# KiCad board TS_FPGA_Module_Rev2.kicad_pcb (continued)
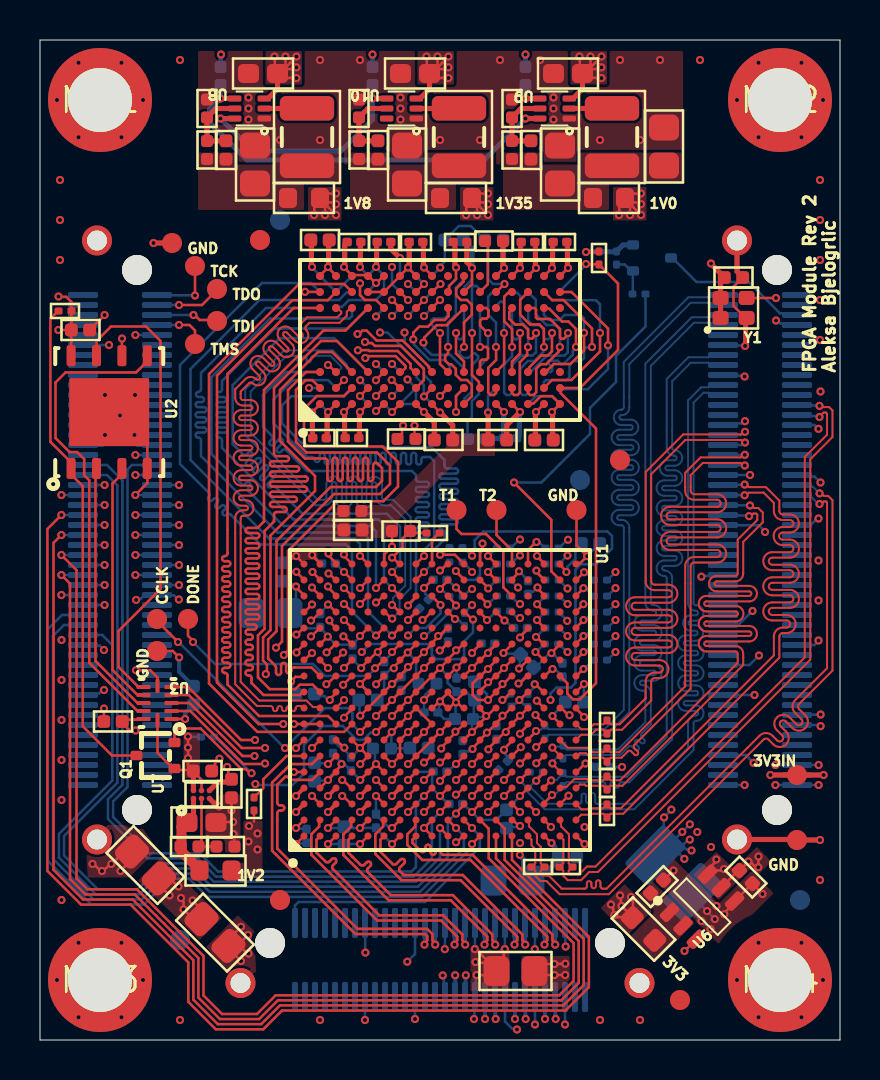
[diagram p0: board, top side]
## Footprints (pads in the part's own frame, mm; a bottom-side part is the same pattern mirrored in y, then rotated) (continued)

## Nets
+1V0: C50.2 C51.2 C52.2 C53.2 C54.2 C55.2 C56.2 C57.2 FB3.1 R53.2 U1.F7 U1.F9 U1.F11 U1.G8 U1.G10 U1.H7 U1.H9 U1.H11 U1.J8 U1.J12 U1.K7 U1.K11 U1.L8 U1.L12 U1.M7 U1.M11 U1.N8 U1.N10 U1.N12 U1.P9 U1.P11
+1V0_MGT: C68.2 C69.2 C70.2 FB3.2 U1.B4 U1.C5 U1.E5 U1.F5
+1V2_MGT: C65.2 C66.2 C67.2 R11.1 R56.2 U1.A2 U1.C1 U1.E1 U1.F3 U1.G2
+1V8: C2.1 C3.1 C49.2 C58.2 C59.2 C60.2 C61.2 C62.2 C63.2 FB1.2 JM2.91 R13.2 R14.2 R15.2 R57.2 U1.E10 U1.E11 U1.G12 U1.H13 U1.K13 U1.M13 U1.P13 U1.R10 U1.R12 U2.8 U3.11
+1V35: C1.1 C5.2 C6.2 C7.2 C8.2 C9.2 C10.2 C11.2 C12.2 C13.2 C14.2 C15.2 C17.2 C18.2 C19.2 C20.2 C21.2 C22.2 C23.2 C24.2 C25.2 C26.2 C27.2 C36.2 C37.2 C38.2 C39.2 C40.2 C41.2 C42.2 C43.2 C44.2 C45.2 C46.2 C47.2 C48.2 C84.2 Q1.2 R12.2 R27.2 R55.2 R58.2 U1.A16 U1.B13 U1.C10 U1.D17 U1.E14 U1.G18 U1.H15 U1.L16 U1.P17 U1.R14 U1.T11 U1.U8 U1.U18 U1.V15 U3.1 U3.12 U4.A1 U4.A8 U4.B2 U4.C1 U4.C9 U4.D2 U4.D9 U4.E9 U4.F1 U4.G7 U4.H2 U4.H9 U4.K2 U4.K8 U4.N1 U4.N9 U4.R1 U4.R9 U5.A1 U5.A8 U5.B2 U5.C1 U5.C9 U5.D2 U5.D9 U5.E9 U5.F1 U5.G7 U5.H2 U5.H9 U5.K2 U5.K8 U5.N1 U5.N9 U5.R1 U5.R9 U7.A2 U7.B2
+3.3V: C29.2 C30.2 C31.2 C32.2 C33.2 C34.2 C35.2 C72.1 R54.2 U1.L6 U1.M3 U1.P7 U1.R4 U1.T1 U1.V5 Y1.1 Y1.4
+3V3_IN: C71.2 C77.2 C79.2 C80.2 C85.2 JM1.1 JM1.3 JM1.5 JM1.13 JM1.15 R44.2 R45.2 R48.2 TP14.1 U6.5 U6.6 U7.C2 U8.3 U9.3 U10.3
GND: C1.2 C2.2 C3.2 C4.1 C6.1 C7.1 C8.1 C9.1 C10.1 C11.1 C12.1 C13.1 C14.1 C15.1 C16.1 C18.1 C19.1 C20.1 C21.1 C22.1 C23.1 C24.1 C25.1 C26.1 C27.1 C28.1 C29.1 C30.1 C31.1 C32.1 C33.1 C34.1 C35.1 C36.1 C37.1 C38.1 C39.1 C40.1 C41.1 C42.1 C43.1 C44.1 C45.1 C46.1 C47.1 C48.1 C49.1 C50.1 C51.1 C52.1 C53.1 C54.1 C55.1 C56.1 C57.1 C58.1 C59.1 C60.1 C61.1 C62.1 C63.1 C65.1 C66.1 C67.1 C68.1 C69.1 C70.1 C71.1 C72.2 C75.1 C76.1 C77.1 C78.1 C79.1 C80.1 C82.1 C83.1 C84.1 C85.1 C87.1 FB2.2 JM1.2 JM1.8 JM1.20 JM1.26 JM1.29 JM1.34 JM1.44 JM1.53 JM1.54 JM1.63 JM1.64 JM1.73 JM1.74 JM1.84 JM1.90 JM1.101 JM1.102 JM2.20 JM2.30 JM2.39 JM2.40 JM2.49 JM2.50 JM2.59 JM2.60 JM2.69 JM2.70 JM2.79 JM2.80 JM2.90 JM2.101 JM2.102 JM3.5 JM3.6 JM3.11 JM3.12 JM3.17 JM3.18 JM3.23 JM3.24 JM3.29 JM3.30 JM3.35 JM3.36 JM3.45 JM3.46 JM3.61 JM3.62 MH1.1 MH2.1 MH3.1 MH4.1 Q2.3 R16.2 R17.2 R18.2 R35.1 R47.1 R50.1 R52.1 R59.2 R61.1 TP5.1 TP7.1 TP12.1 TP13.1 U1.A1 U1.A5 U1.A7 U1.A8 U1.A11 U1.A18 U1.B3 U1.B7 U1.B8 U1.B18 U1.C2 U1.C6 U1.C7 U1.C15 U1.D3 U1.D4 U1.D7 U1.D12 U1.E2 U1.E6 U1.E7 U1.E9 U1.E12 U1.F4 U1.F6 U1.F10 U1.F13 U1.F16 U1.G1 U1.G5 U1.G6 U1.G7 U1.G9 U1.G11 U1.G13 U1.H3 U1.H4 U1.H5 U1.H6 U1.H8 U1.H10 U1.H12 U1.J1 U1.J2 U1.J3 U1.J7 U1.J11 U1.J13 U1.J17 U1.K4 U1.K8 U1.K12 U1.K14 U1.L1 U1.L7 U1.L11 U1.L13 U1.M8 U1.M9 U1.M10 U1.M12 U1.M18 U1.N5 U1.N7 U1.N9 U1.N11 U1.N13 U1.N15 U1.P2 U1.P8 U1.P12 U1.R9 U1.R11 U1.T6 U1.T16 U1.U3 U1.U13 U1.V1 U1.V10 U1.V18 U2.4 U2.9 U3.6 U4.A9 U4.B1 U4.B3 U4.B9 U4.D1 U4.D8 U4.E1 U4.E2 U4.E8 U4.F9 U4.G1 U4.G8 U4.G9 U4.J2 U4.J8 U4.M1 U4.M9 U4.P1 U4.P9 U4.T1 U4.T9 U5.A9 U5.B1 U5.B3 U5.B9 U5.D1 U5.D8 U5.E1 U5.E2 U5.E8 U5.F9 U5.G1 U5.G8 U5.G9 U5.J2 U5.J8 U5.M1 U5.M9 U5.P1 U5.P9 U5.T1 U5.T9 U6.4 U7.C1 U8.1 U9.1 U10.1 Y1.2
GNDA: C64.1 FB2.1 U1.J9 U1.K9 U1.K10 U1.L9 U1.L10
/ACQ_EN: JM2.51 U1.M4
/ADC_CSn: JM2.65 U1.J4
/ADC_PD: JM2.61 U1.L4
/ADC_PG: JM2.67 U1.R6
/ADC_RSTn: JM2.63 U1.M6
/ADC_SCLK: JM2.41 U1.J6
/ADC_SDATA: JM2.43 U1.L5
/ATTEN_1: JM2.38 U1.N6
/ATTEN_2: JM2.48 U1.M2
/ATTEN_3: JM2.56 U1.P1
/ATTEN_4: JM2.64 U1.K1
/Board_PWR/NetC73_1: C73.1 R46.1 R47.2 U9.5
/Board_PWR/NetC73_2: C73.2 C75.2 C76.2 L1.2 R46.2 R53.1
/Board_PWR/NetC78_2: C78.2 R54.1 U6.1 U6.2
/Board_PWR/NetC81_1: C81.1 R49.1 R50.2 U10.5
/Board_PWR/NetC81_2: C81.2 C82.2 L3.2 R49.2 R55.1
/Board_PWR/NetC83_2: C83.2 R56.1 R60.2 U7.A1
/Board_PWR/NetC86_1: C86.1 R51.1 R52.2 U8.5
/Board_PWR/NetC86_2: C86.2 C87.2 L2.2 R51.2 R57.1
/Board_PWR/NetL1_1: L1.1 U9.2
/Board_PWR/NetL2_1: L2.1 U8.2
/Board_PWR/NetL3_1: L3.1 U10.2
/Board_PWR/NetR45_1: R45.1 U9.4
/Board_PWR/NetR60_1: R60.1 R61.2 U7.B1
/Board_PWR/PG_1V0: R44.1 U8.4 U9.6
/Board_PWR/PG_1V8: R48.1 U6.3 U8.6 U10.4
/D1A_N: JM1.58 R6.1 U1.V4
/D1A_P: JM1.56 R6.2 U1.U4
/D1B_N: JM1.62 R8.1 U1.V2
/D1B_P: JM1.60 R8.2 U1.V3
/D2A_N: JM1.68 R1.2 U1.U7
/D2A_P: JM1.66 R1.1 U1.V6
/D2B_N: JM1.72 R5.2 U1.V8
/D2B_P: JM1.70 R5.1 U1.V7
/D3A_N: JM1.82 R3.1 U1.T5
/D3A_P: JM1.80 R3.2 U1.R5
/D3B_N: JM1.88 R7.2 U1.T4
/D3B_P: JM1.86 R7.1 U1.T3
/D4A_N: JM1.96 R4.2 U1.U6
/D4A_P: JM1.94 R4.1 U1.U5
/D4B_N: JM1.100 R2.2 U1.R7
/D4B_P: JM1.98 R2.1 U1.T7
/DC_CPL_1: JM2.42 U1.P3
/DC_CPL_2: JM2.52 U1.N2
/DC_CPL_3: JM2.58 U1.T2
/DC_CPL_4: JM2.66 U1.K3
/FCLK_N: JM1.77 R9.1 U1.U1
/FCLK_P: JM1.75 R9.2 U1.U2
/FE_EN: JM2.53 U1.K6
/FE_PG: JM2.45 U1.J5
/FPGA_Bank_34_IO/CLK25: U1.P4 Y1.3
/FPGA_Banks_14_15_DDR3/DDR3_A0: R41.1 U1.T12
/FPGA_Banks_14_15_DDR3/DDR3_A0_T: R41.2 U4.N3 U5.N3
/FPGA_Banks_14_15_DDR3/DDR3_A1: R21.1 U1.T15
/FPGA_Banks_14_15_DDR3/DDR3_A1_T: R21.2 U4.P7 U5.P7
/FPGA_Banks_14_15_DDR3/DDR3_A2: R24.1 U1.T14
/FPGA_Banks_14_15_DDR3/DDR3_A2_T: R24.2 U4.P3 U5.P3
/FPGA_Banks_14_15_DDR3/DDR3_A3: R30.1 U1.V11
/FPGA_Banks_14_15_DDR3/DDR3_A3_T: R30.2 U4.N2 U5.N2
/FPGA_Banks_14_15_DDR3/DDR3_A4: R39.1 U1.V12
/FPGA_Banks_14_15_DDR3/DDR3_A4_T: R39.2 U4.P8 U5.P8
/FPGA_Banks_14_15_DDR3/DDR3_A5: R42.1 U1.V13
/FPGA_Banks_14_15_DDR3/DDR3_A5_T: R42.2 U4.P2 U5.P2
/FPGA_Banks_14_15_DDR3/DDR3_A6: R33.1 U1.T18
/FPGA_Banks_14_15_DDR3/DDR3_A6_T: R33.2 U4.R8 U5.R8
/FPGA_Banks_14_15_DDR3/DDR3_A7: R40.1 U1.V16
/FPGA_Banks_14_15_DDR3/DDR3_A7_T: R40.2 U4.R2 U5.R2
/FPGA_Banks_14_15_DDR3/DDR3_A8: R43.1 U1.V17
/FPGA_Banks_14_15_DDR3/DDR3_A8_T: R43.2 U4.T8 U5.T8
/FPGA_Banks_14_15_DDR3/DDR3_A9: R23.1 U1.T17
/FPGA_Banks_14_15_DDR3/DDR3_A9_T: R23.2 U4.R3 U5.R3
/FPGA_Banks_14_15_DDR3/DDR3_A10: R32.1 U1.N18
/FPGA_Banks_14_15_DDR3/DDR3_A10_T: R32.2 U4.L7 U5.L7
/FPGA_Banks_14_15_DDR3/DDR3_A11: R38.1 U1.V14
/FPGA_Banks_14_15_DDR3/DDR3_A11_T: R38.2 U4.R7 U5.R7
/FPGA_Banks_14_15_DDR3/DDR3_A12: R20.1 U1.T13
/FPGA_Banks_14_15_DDR3/DDR3_A12_T: R20.2 U4.N7 U5.N7
/FPGA_Banks_14_15_DDR3/DDR3_BA0: R29.1 U1.N17
/FPGA_Banks_14_15_DDR3/DDR3_BA0_T: R29.2 U4.M2 U5.M2
/FPGA_Banks_14_15_DDR3/DDR3_BA1: R22.1 U1.R18
/FPGA_Banks_14_15_DDR3/DDR3_BA1_T: R22.2 U4.N8 U5.N8
/FPGA_Banks_14_15_DDR3/DDR3_BA2: R25.1 U1.M17
/FPGA_Banks_14_15_DDR3/DDR3_BA2_T: R25.2 U4.M3 U5.M3
/FPGA_Banks_14_15_DDR3/DDR3_CAS: R37.1 U1.K18
/FPGA_Banks_14_15_DDR3/DDR3_CAS_T: R37.2 U4.K3 U5.K3
/FPGA_Banks_14_15_DDR3/DDR3_CKE: R34.1 U1.L18
/FPGA_Banks_14_15_DDR3/DDR3_CKE_T: R34.2 U4.K9 U5.K9
/FPGA_Banks_14_15_DDR3/DDR3_CLK_N: R31.1 U1.V9 U4.K7 U5.K7
/FPGA_Banks_14_15_DDR3/DDR3_CLK_P: R31.2 U1.U9 U4.J7 U5.J7
/FPGA_Banks_14_15_DDR3/DDR3_D0: U1.D14 U4.E3
/FPGA_Banks_14_15_DDR3/DDR3_D1: U1.A12 U4.F7
/FPGA_Banks_14_15_DDR3/DDR3_D2: U1.A15 U4.F2
/FPGA_Banks_14_15_DDR3/DDR3_D3: U1.C13 U4.F8
/FPGA_Banks_14_15_DDR3/DDR3_D4: U1.A14 U4.H3
/FPGA_Banks_14_15_DDR3/DDR3_D5: U1.A13 U4.H8
/FPGA_Banks_14_15_DDR3/DDR3_D6: U1.D13 U4.G2
/FPGA_Banks_14_15_DDR3/DDR3_D7: U1.B14 U4.H7
/FPGA_Banks_14_15_DDR3/DDR3_D8: U1.A10 U4.D7
/FPGA_Banks_14_15_DDR3/DDR3_D9: U1.C9 U4.C3
/FPGA_Banks_14_15_DDR3/DDR3_D10: U1.D8 U4.C8
/FPGA_Banks_14_15_DDR3/DDR3_D11: U1.D11 U4.C2
/FPGA_Banks_14_15_DDR3/DDR3_D12: U1.C8 U4.A7
/FPGA_Banks_14_15_DDR3/DDR3_D13: U1.C11 U4.A2
/FPGA_Banks_14_15_DDR3/DDR3_D14: U1.D9 U4.B8
/FPGA_Banks_14_15_DDR3/DDR3_D15: U1.B11 U4.A3
/FPGA_Banks_14_15_DDR3/DDR3_D16: U1.B17 U5.E3
/FPGA_Banks_14_15_DDR3/DDR3_D17: U1.D16 U5.F7
/FPGA_Banks_14_15_DDR3/DDR3_D18: U1.E16 U5.F2
/FPGA_Banks_14_15_DDR3/DDR3_D19: U1.E17 U5.F8
/FPGA_Banks_14_15_DDR3/DDR3_D20: U1.C16 U5.H3
/FPGA_Banks_14_15_DDR3/DDR3_D21: U1.C18 U5.H8
/FPGA_Banks_14_15_DDR3/DDR3_D22: U1.D15 U5.G2
/FPGA_Banks_14_15_DDR3/DDR3_D23: U1.C17 U5.H7
/FPGA_Banks_14_15_DDR3/DDR3_D24: U1.G17 U5.D7
/FPGA_Banks_14_15_DDR3/DDR3_D25: U1.F17 U5.C3
/FPGA_Banks_14_15_DDR3/DDR3_D26: U1.H17 U5.C8
/FPGA_Banks_14_15_DDR3/DDR3_D27: U1.E18 U5.C2
/FPGA_Banks_14_15_DDR3/DDR3_D28: U1.H16 U5.A7
/FPGA_Banks_14_15_DDR3/DDR3_D29: U1.F14 U5.A2
/FPGA_Banks_14_15_DDR3/DDR3_D30: U1.H18 U5.B8
/FPGA_Banks_14_15_DDR3/DDR3_D31: U1.G14 U5.A3
/FPGA_Banks_14_15_DDR3/DDR3_DM0: U1.B12 U4.E7
/FPGA_Banks_14_15_DDR3/DDR3_DM1: U1.B10 U4.D3
/FPGA_Banks_14_15_DDR3/DDR3_DM2: U1.D18 U5.E7
/FPGA_Banks_14_15_DDR3/DDR3_DM3: U1.G16 U5.D3
/FPGA_Banks_14_15_DDR3/DDR3_DQS0_N: U1.B15 U4.G3
/FPGA_Banks_14_15_DDR3/DDR3_DQS0_P: U1.C14 U4.F3
/FPGA_Banks_14_15_DDR3/DDR3_DQS1_N: U1.A9 U4.B7
/FPGA_Banks_14_15_DDR3/DDR3_DQS1_P: U1.B9 U4.C7
/FPGA_Banks_14_15_DDR3/DDR3_DQS2_N: U1.A17 U5.G3
/FPGA_Banks_14_15_DDR3/DDR3_DQS2_P: U1.B16 U5.F3
/FPGA_Banks_14_15_DDR3/DDR3_DQS3_N: U1.F15 U5.B7
/FPGA_Banks_14_15_DDR3/DDR3_DQS3_P: U1.G15 U5.C7
/FPGA_Banks_14_15_DDR3/DDR3_ODT: R36.1 U1.K17
/FPGA_Banks_14_15_DDR3/DDR3_ODT_T: R36.2 U4.K1 U5.K1
/FPGA_Banks_14_15_DDR3/DDR3_RAS: R19.1 U1.K15
/FPGA_Banks_14_15_DDR3/DDR3_RAS_T: R19.2 U4.J3 U5.J3
/FPGA_Banks_14_15_DDR3/DDR3_RESET: R16.1 U1.U11 U4.T2 U5.T2
/FPGA_Banks_14_15_DDR3/DDR3_S0: R28.1 U1.M15
/FPGA_Banks_14_15_DDR3/DDR3_S0_T: R28.2 U4.L2 U5.L2
/FPGA_Banks_14_15_DDR3/DDR3_WE: R26.1 U1.M16
/FPGA_Banks_14_15_DDR3/DDR3_WE_T: R26.2 U4.L3 U5.L3
/FPGA_Banks_14_15_DDR3/NetR17_1: R17.1 U4.L8
/FPGA_Banks_14_15_DDR3/NetR18_1: R18.1 U5.L8
/FPGA_Banks_14_15_DDR3/PUDC: R58.1 U1.J18
/FPGA_Banks_14_15_DDR3/SPI_CS_1V35: Q1.3 R12.1 U1.L15
/FPGA_Banks_14_15_DDR3/SPI_DQ0_1V35: U1.K16 U3.2
/FPGA_Banks_14_15_DDR3/SPI_DQ1_1V35: U1.L17 U3.3
/FPGA_Banks_14_15_DDR3/SPI_DQ2_1V35: U1.J15 U3.4
/FPGA_Banks_14_15_DDR3/SPI_DQ3_1V35: U1.J16 U3.5
/FPGA_Banks_14_15_DDR3/TEST_1: TP3.1 U1.P16
/FPGA_Banks_14_15_DDR3/TEST_2: TP2.1 U1.P18
/FPGA_CFG/NetR14_1: R14.1 U1.T10
/FPGA_CFG/NetR15_1: R15.1 U1.P10
/FPGA_CFG/NetTP1_1: TP1.1 U1.F12
/FPGA_CFG/SPI_CLK: TP6.1 U1.E8 U2.6
/FPGA_CFG/SPI_CS: Q1.1 R13.1 U2.1
/FPGA_CFG/SPI_DQ0: U2.5 U3.10
/FPGA_CFG/SPI_DQ1: U2.2 U3.9
/FPGA_CFG/SPI_DQ2: U2.3 U3.8
/FPGA_CFG/SPI_DQ3: U2.7 U3.7
/FPGA_MGT/NetR11_2: R11.2 U1.A6
/FPGA_PWR/NetC64_2: C64.2 FB1.1 U1.J10
/LCLK_N: JM1.61 R10.1 U1.R1
/LCLK_P: JM1.59 R10.2 U1.R2
/LED: R62.1 U1.U17
/LED_3V3: JM1.95 Q2.1
/MGT_CLK1_N: JM3.31 U1.B5
/MGT_CLK1_P: JM3.33 U1.B6
/MGT_RX0_N: JM3.8 U1.E3
/MGT_RX0_P: JM3.10 U1.E4
/MGT_RX1_N: JM3.14 U1.A3
/MGT_RX1_P: JM3.16 U1.A4
/MGT_RX2_N: JM3.20 U1.C3
/MGT_RX2_P: JM3.22 U1.C4
/MGT_RX3_N: JM3.26 U1.G3
/MGT_RX3_P: JM3.28 U1.G4
/MGT_TX0_N: JM3.7 U1.H1
/MGT_TX0_P: JM3.9 U1.H2
/MGT_TX1_N: JM3.13 U1.F1
/MGT_TX1_P: JM3.15 U1.F2
/MGT_TX2_N: JM3.19 U1.D1
/MGT_TX2_P: JM3.21 U1.D2
/MGT_TX3_N: JM3.25 U1.B1
/MGT_TX3_P: JM3.27 U1.B2
/NetQ2_2: Q2.2 R59.1 R62.2
/OSC_OE: JM2.47 U1.N3
/PERST#: JM3.59 U1.L2
/PGA_CSn_1: JM2.36 U1.M1
/PGA_CSn_2: JM2.46 U1.M5
/PGA_CSn_3: JM2.54 U1.R3
/PGA_CSn_4: JM2.62 U1.P5
/PGA_SCLK: JM2.34 U1.K2
/PGA_SDIO: JM2.32 U1.L3
/PROBE_COMP: JM2.44 U1.N1
/SCL: JM2.57 U1.K5
/SDA: JM2.55 U1.N4
/SYNC: JM1.93 U1.P6
/TCK: JM2.99 TP10.1 U1.F8
/TDI: JM2.95 TP8.1 U1.T9
/TDO: JM2.97 TP9.1 U1.T8
/TMS: JM2.93 TP11.1 U1.R8
VTTREF: C4.2 C5.1 C16.2 C17.1 C28.2 R27.1 R35.2 U1.C12 U1.F18 U4.H1 U4.M8 U5.H1 U5.M8

Pads without a net: FID1 1; FID2 1; FID3 1; FID4 1; FID5 1; FID6 1; FID7 1; FID8 1; JM1 4 6 7 9 10 11 12 14 16 17 18 19 21 22 23 24 25 27 28 30 31 32 33 35 36 37 38 39 40 41 42 43 45 46 47 48 49 50 51 52 55 57 65 67 69 71 76 78 79 81 83 85 87 89 91 92 97 99; JM2 1 2 3 4 5 6 7 8 9 10 11 12 13 14 15 16 17 18 19 21 22 23 24 25 26 27 28 29 31 33 35 37 68 71 72 73 74 75 76 77 78 81 82 83 84 85 86 87 88 89 92 94 96 98 100; JM3 1 2 3 4 32 34 37 38 39 40 41 42 43 44 47 48 49 50 51 52 53 54 55 56 57 58 60; U1 D5 D6 D10 E13 E15 H14 J14 L14 M14 N14 N16 P14 P15 R13 R15 R16 R17 U10 U12 U14 U15 U16; U4 J1 J9 L1 L9 M7 T3 T7; U5 J1 J9 L1 L9 M7 T3 T7; U10 6

## Via types
v1: diameter 0.406, hole 0.203, Top Layer to Bottom Layer, 669 vias

## Routing (per net, layer and track width the routed paths; a pad name or vN(x,y) marks a point on that pad's centre or on a via; arc(x,y) is an arc through that point)
+1V0: length 45.3
  Top Layer w0.127: U1.L8 20.81,15.41 v1(20.77,15.41) 20.77,15.37 U1.K7 20.4,14.96 20.06,14.62 v1(20.06,14.57) ; U1.F9 v1(17.6,17) 17.96,17.36 ; 19.56,18.96 v1(19.2,18.6) U1.H11 U1.G10 ; 17.96,15.76 17.96,15.76 17.59,15.4 17.59,15.39 ; U1.N8 22.79,15.8 22.35,15.36 ; U1.G8 18.76,16.56 ; 23.56,18.16 23.52,18.16 23.16,17.8 v1(23.12,17.8) 23.12,17.76 22.8,17.44 U1.N10 ; R53.2 29.47,42.32 30.04,42.32 v1(30.05,42.33) ; R53.2 29.45,41.9 ; R53.2 28.96,41.81 28.96,41.26 v1(28.95,41.25) ; 22.03,15.04 22.35,15.36 v1(22.35,15.37) ; 29.47,41.92 29.47,41.83 v1(30.05,41.25) ; 17.16,18.16 17.16,18.15 16.81,17.8 v1(16.81,17.79) ; v1(21.62,14.55) 21.62,14.59 22,14.96 U1.M7 ; 22.8,15.85 23.12,16.17 v1(23.12,16.21) ; v1(16.8,16.2) 17.16,16.56 ; U1.H7 v1(19.2,15.4) 19.56,15.76 ; 22.76,17.36 v1(22.4,17) 21.88,17 21.63,17.25 21.63,17.83 U1.M11 22.03,18.2 22.38,18.55 v1(22.4,18.55) 22.4,18.58 22.76,18.94 22.76,18.96 ; U1.K11 v1(20.82,18.62) 21.16,18.96 ; v1(29.5,41.25) 29.5,41.85 ; U1.H9 U1.J8 ; v1(26.27,3.81) 26.26,3.81 25.81,3.81 25.8,3.8 25.07,3.8 C50.2 24.93,3.25 v1(25.72,3.25) v1(26.26,3.25) ; v1(17.59,15.4) 17.59,15.39 17.2,15.01 U1.F7 ; 29.5,41.96 29.58,41.88 29.89,41.88 29.97,41.8 v1(30.05,41.8) ; 23.1,16.21 23.17,16.21 23.52,16.56 23.56,16.56
  Bottom Layer w0.127: v1(23.12,16.21) 23.07,16.16 23.07,16.08 22.72,15.72 22.69,15.72 22.35,15.37 v1(22.35,15.37) ; C54.2 18.07,17.47 17.61,17 v1(17.6,17) ; v1(22.4,18.55) 22.38,18.55 21.74,17.91 C56.2 ; 31.37,9.66 32.06,9.66 ; 31.37,9.66 31.12,9.66 ; 31.37,9.66 v1(32.11,10.41) v1(32.49,10.78) ; 31.37,9.66 31.1,9.39 ; 32.06,9.66 31.79,9.39 ; 32.06,9.66 32.18,9.66 32.31,9.53 32.52,9.53 v1(32.57,9.48) ; 32.06,9.66 32.41,10.02 v1(32.49,10.02) ; 31.1,9.39 31.79,9.39 ; 31.1,9.39 30.84,9.39 ; 31.1,9.39 31.02,9.31 ; 31.79,9.39 31.71,9.31 31.02,9.31 ; 31.79,9.39 31.88,9.39 v1(32.22,9.06) ; FB3.1 17.57,14.59 17.57,15.38 v1(17.59,15.4) ; 31.12,9.66 30.84,9.39 ; 31.12,9.66 31.19,9.73 31.19,11.11 v1(31.2,11.13) 31.2,11.14 31.57,11.51 v1(31.57,11.52) ; 31.02,9.31 30.76,9.31 30.84,9.39 ; C56.2 22.35,17.29 22.35,17.05 v1(22.4,17) ; C56.2 21.67,17.91 21.44,18.14 20.82,18.14 v1(20.82,18.62) ; 18.5,14.59 18.5,14.63 19.2,15.33 v1(19.2,15.4) ; 18.5,14.59 17.56,14.59 ; 18.5,14.59 18.51,14.6 ; v1(21.62,14.55) 21.55,14.55 21.43,14.43 21.27,14.43 21.12,14.29
  vias: v1(18.4,16.2) v1(25.72,3.8) v1(32.86,10.4)
+1V0_MGT: length 9
  Top Layer w0.127: v1(15.07,13.8) 15.07,13.74 14.8,13.46 U1.C5 v1(14.4,13) U1.B4 ; v1(16.01,13) 16.01,13.01 16.4,13.39 U1.E5 v1(16.8,13.8) U1.F5
  Bottom Layer w0.127: v1(15.07,13.8) 15.07,13.87 14.65,14.29 C68.2 ; v1(15.07,13.8) 15.13,13.75 15.26,13.75 C69.2 ; v1(15.07,13.8) 15.07,13.75 14.4,13.08 v1(14.4,13) 14.37,12.97 13.76,12.97 C70.2 ; FB3.2 16.75,14.48 16.75,13.85 v1(16.8,13.8) 16.8,13.79 16.01,13.01 16.01,13 ; v1(16.01,13) 16.01,13 ; 16.01,13 15.6,13.41 15.6,13.43 15.57,13.43
+1V2_MGT: length 7.6
  Top Layer w0.127: v1(16.8,12.2) U1.F3 ; v1(17.6,10.6) U1.G2 ; v1(14.4,9.8) U1.C1 ; 10.7,10.93 R11.1 ; v1(12.8,10.6) U1.A2 ; v1(16,9.8) U1.E1
  Bottom Layer w0.127: v1(12.8,10.6) 12.83,10.57 13.3,10.57 C66.2 ; v1(16.8,12.2) C67.2 16.8,11.27 17.42,10.65 17.55,10.65 v1(17.6,10.6) ; v1(14.4,9.8) 15.14,9.8 C65.2 15.26,9.8 v1(16,9.8)
  vias: v1(10.42,9.93) v1(10.45,10.7) v1(10.88,10.33) v1(10.88,9.53)
+1V8: length 30.9
  Top Layer w0.127: v1(0.92,37.18) 0.94,37.16 1.32,37.16 1.57,36.9 R13.2 1.57,36.44 1.57,35.5 C3.1 ; v1(14.8,41.25) 14.22,41.83 14.22,41.92 ; v1(13.7,41.25) 13.71,41.26 13.71,41.81 R57.2 ; 16.36,18.16 v1(16,17.8) U1.E10 ; 21.96,19.76 21.96,19.74 21.6,19.38 v1(21.6,19.35) ; U1.G12 18,18.96 17.68,18.63 17.68,18.59 ; v1(23.97,17) 23.98,17 24.35,17.36 24.36,17.36 ; R57.2 14.22,42.32 14.79,42.32 v1(14.8,42.33) ; R57.2 14.2,41.9 ; 14.25,41.96 14.33,41.88 14.64,41.88 14.72,41.8 v1(14.8,41.8) ; v1(7.62,6.98) 8.08,6.52 C49.2 7.66,6.05 v1(7.18,6.53) 7.18,6.9 7.05,7.02 v1(7.05,7.1) ; v1(23.17,19.35) 23.17,19.36 23.6,19.79 U1.P13 ; v1(6.48,7.23) 5.95,7.76 C58.2 6.49,8.08 6.9,7.67 v1(6.93,7.67) ; v1(14.25,41.25) 14.25,41.85 ; 18.38,19.38 v1(18.39,19.38) ; 18.38,19.38 18.76,19.76 18.76,19.76 ; 18.38,19.38 18.01,19.01 18.01,19.01 ; U2.8 1.56,34.22 1.56,35.49 C3.1 ; v1(0.91,35.5) C3.1 ; U3.11 5.14,16.01 4.27,16.01 4.11,15.85 4.49,15.48 v1(4.78,15.48) ; v1(23.95,18.58) 23.96,18.58 24.35,18.96 24.44,18.96 ; v1(19.99,19.48) 20.03,19.48 20.32,19.76 20.36,19.76
  Bottom Layer w0.127: 20.38,19.86 20.38,19.85 20,19.48 v1(19.99,19.48) ; 17.62,18.54 17.52,18.54 C62.2 17.21,18.22 17.21,17.4 16.86,17.05 C60.2 16.83,17 16.03,17.8 v1(16,17.8) ; C59.2 23.99,19.31 23.21,19.31 v1(23.17,19.35) ; v1(18.39,19.38) 18.81,18.96 18.81,17.94 FB1.2 ; R14.2 24.4,16.66 24.29,16.77 24.2,16.77 v1(23.97,17) 23.94,17 23.74,16.8 23.66,16.8 23.55,16.69 R15.2 ; 23.99,19.24 23.99,18.61 v1(23.95,18.58) ; 22.06,19.78 22.01,19.78 21.6,19.37 v1(21.6,19.35) ; v1(4.77,35.25) JM2.91
  vias: v1(17.69,18.59)
+1V35: length 95.8
  Top Layer w0.127: 21.85,41.96 21.93,41.88 22.24,41.88 22.32,41.8 v1(22.4,41.8) ; v1(14.49,17) 14.49,17.05 14.76,17.32 14.76,17.36 ; U1.U18 26,23.75 26.31,23.45 26.31,23.4 ; v1(24,20.12) 24,20.16 24.4,20.56 U1.R14 ; v1(18.4,21) 18.76,21.36 ; 14.04,19.84 14.05,19.84 14.38,20.17 v1(14.39,20.17) ; U1.V15 26.8,21.41 27.17,21.78 v1(27.17,21.79) ; 13.62,30.11 C13.2 ; U1.U8 26,15.81 25.62,16.19 v1(25.62,16.2) ; U1.T11 25.24,18.2 25.59,18.55 v1(25.62,18.55) ; 7.67,13.43 8.07,13.02 U7.B2 ; 7.67,13.43 7.67,13.48 7.4,13.74 v1(7.4,14.09) v1(7.4,14.62) v1(7.4,15.18) ; 7.67,13.43 7.59,13.5 6.8,13.5 Q1.2 6.66,13.57 5.87,14.36 U3.12 ; v1(13.25,37.41) 13.25,37.4 14,37.4 U4.A8 ; v1(23.95,23.44) 23.95,23.39 23.6,23.04 U1.P17 ; 15.2,38.63 15.6,38.23 U4.C9 15.65,38.25 16.35,38.25 U4.D9 16.43,38.2 16.77,37.85 v1(16.8,37.85) 16.83,37.85 17.17,38.2 U4.E9 ; v1(21.85,41.25) 21.85,41.85 ; v1(16,20.2) 16.36,20.56 ; v1(15.2,23.4) 15.56,23.04 ; R58.2 18.6,25.35 R27.2 18.12,25.07 18.12,24.64 v1(17.61,24.12) 17.64,24.12 17.92,23.84 17.96,23.84 ; U4.K8 21.6,37.8 v1(21.6,38.6) ; v1(22.4,41.25) 21.82,41.83 21.82,41.92 ; v1(16,32.2) U4.D2 ; v1(17.6,31.4) U4.F1 ; U4.N1 v1(24,31.4) ; v1(13.61,31.38) 13.62,31.36 ; U4.A1 14,31.78 13.65,31.43 13.65,31.38 ; v1(22.4,42.33) 22.39,42.32 21.82,42.32 R55.2 ; v1(21.3,41.25) 21.31,41.26 21.31,41.81 R55.2 ; 15.23,30.13 C7.2 ; v1(20.8,31.4) 20.8,32.2 U4.K2 ; U1.A16 13.2,22.24 12.8,22.64 v1(12.8,22.68) ; U1.L16 21.2,22.21 20.8,22.61 v1(20.8,22.62) ; U4.R9 v1(25.6,38.6) ; U4.H2 19.6,32.59 19.2,32.19 v1(19.2,32.18) ; v1(24.8,31.4) U4.R1 ; U3.1 v1(7.26,16.05) ; U4.B2 v1(15.2,33) ; 15.23,31.37 v1(15.2,31.4) U4.C1 ; U4.H9 19.6,38.21 19.2,38.61 ; R55.2 21.8,41.9 ; 7.67,12.48 U7.A2 ; U4.N9 v1(24,38.6) ; U4.G7 v1(19.2,37)
  Top Layer w0.254: 13.62,30.11 13.62,31.36 ; C26.2 25.63,39.87 25.63,38.63 v1(25.6,38.6) ; C10.2 21.34,38.9 21.6,38.64 v1(21.6,38.6) ; C6.2 13.57,39.97 13.57,38.68 v1(13.6,38.65) ; C14.2 24.03,39.87 24.03,38.63 v1(24,38.6) ; C12.2 15.23,39.77 15.23,38.68 v1(15.2,38.65) ; C11.2 24.77,30.03 24.77,31.37 v1(24.8,31.4) ; v1(24,31.4) 23.34,30.74 C17.2 ; 7.67,12.48 7.67,13.42 ; 19.2,38.61 v1(19.2,38.62) 19.17,38.66 19.17,39.87 C9.2 ; C8.2 17.54,39.56 v1(18,39.1) ; 15.23,30.13 15.23,31.37
  Bottom Layer w0.127: C39.2 14.78,23.83 15.2,23.4 v1(15.2,23.4) ; 13.71,17.38 13.89,17.2 14.22,17.2 14.42,17 v1(14.49,17) ; U4.K2 20.8,32.2 v1(20.8,31.4) ; C43.2 26.26,16.87 25.62,16.23 v1(25.62,16.2) ; U5.F1 v1(18,39.1) ; U5.E9 v1(17.6,31.4) ; 15.2,38.63 15.6,38.23 U4.C9 U5.B2 U5.A1 ; C48.2 20.38,23.01 20.77,22.62 v1(20.8,22.62) ; U5.H9 19.59,31.8 19.21,32.18 v1(19.2,32.18) 19.19,32.18 19.19,32.76 18.83,33.13 18.83,33.37 U5.G7 ; v1(13.45,32.6) U5.A8 ; 24.42,22.97 24.42,23.01 24.34,23.01 24.34,23.05 v1(23.95,23.44) ; 24.34,20.6 24.2,20.46 24.2,20.37 24,20.17 v1(24,20.12) ; U4.K8 21.24,37.44 21.24,37.66 21.6,38.03 v1(21.6,38.6) ; v1(19.2,37) U5.H2 ; v1(16,20.2) 16,20.16 15.62,19.78 15.62,19.74 15.6,19.77 14.79,19.77 v1(14.39,20.17) 14.39,20.22 14.01,20.6 C46.2 13.95,20.58 13.18,20.58 12.47,21.29 C42.2 12.8,21.68 v1(12.8,22.68) 12.73,22.68 12.59,22.81 12.28,22.81 C41.2 ; U4.R9 v1(25.6,38.6) ; C40.2 27.07,24.79 26.77,24.49 26.77,24.39 26.77,24.39 26.77,24.06 26.36,23.66 26.36,23.45 26.31,23.4 ; v1(16.8,37.85) 16.8,37.83 16.4,37.43 U5.D2 ; 13.6,38.63 14,38.23 ; U4.C1 v1(15.2,31.4) 15.23,31.37 ; v1(16,32.2) U5.D9 ; C37.2 26.12,18.18 25.81,18.5 25.68,18.5 v1(25.62,18.55) ; v1(24.8,31.4) U4.R1 ; U4.N9 v1(24,38.6) ; v1(18.4,21) 18.91,21.51 ; R12.2 8.04,15.16 7.41,15.16 v1(7.4,15.18) ; U4.N1 v1(24,31.4)
  Bottom Layer w0.2: v1(7.26,16.05) 7.26,16.05 7.26,16.35 C1.1
  Bottom Layer w0.254: v1(24,38.6) 24.03,38.63 24.03,39.87 C14.2 ; C8.2 17.54,39.56 v1(18,39.1) ; C6.2 13.57,39.97 13.57,38.68 v1(13.6,38.65) ; v1(19.2,38.62) 19.17,38.66 19.17,39.87 C9.2 ; v1(13.61,31.38) 13.62,31.36 13.62,30.09 C15.2 ; 15.23,31.37 15.23,30.13 C7.2 ; v1(25.6,38.6) 25.63,38.63 25.63,39.87 C26.2 ; C5.2 21.6,39.56 v1(21.6,38.6) ; C11.2 24.77,30.03 24.77,31.37 v1(24.8,31.4) ; v1(24,31.4) 23.97,31.37 23.97,30.23 C25.2 ; C12.2 15.24,39.78 15.24,38.69 v1(15.2,38.65)
  vias: v1(26.32,23.4)
+3.3V: length 54.3
  Top Layer w0.127: 29.64,6.18 29.64,6.98 29.55,7.07 v1(29.55,7.15) ; v1(20.8,13.8) 21.16,14.16 ; v1(24,12.2) 24.36,12.56 ; v1(27.28,13.83) 27.25,13.83 26.86,13.44 26.84,13.44 ; v1(28.55,6.77) 28.55,6.7 28.66,6.59 28.66,6.3 v1(28.71,6.24) 28.79,6.24 28.89,6.14 29.58,6.14 R54.2 29.61,6.17 v1(29.07,6.7) 29.04,6.74 29.04,7.19 v1(29,7.23) ; v1(23.2,14.51) 23.2,14.55 23.56,14.92 23.56,14.96 ; v1(21.6,11.4) 21.96,11.76 ; v1(25.57,9.85) 25.56,9.85 25.25,10.16 25.24,10.16
  Top Layer w0.254: v1(33.55,38.83) 33.55,38.81 34.21,38.15 34.21,38.13 ; C72.1 34.22,38.11 34.03,37.92 Y1.4 Y1.1
  Int2 (Sign) w0.254: v1(29.55,7.15) 31.05,7.15 v1(33.55,9.65)
  Int3 (Sign) w0.254: v1(33.55,9.65) v1(33.55,38.83)
  Bottom Layer w0.127: v1(24,12.2) 24,12.19 23.32,11.52 C30.2 22.82,11.01 21.99,11.01 v1(21.6,11.4) 21.57,11.4 21.17,11.8 C34.2 ; C33.2 23.39,14.16 23.25,14.3 23.25,14.46 v1(23.2,14.51) ; v1(20.8,13.8) 20.77,13.8 20.38,13.41 20.34,13.41 ; C32.2 27.79,13.65 27.62,13.83 v1(27.28,13.83)
  Bottom Layer w0.254: v1(23.99,9.25) 23.99,9.21 24.17,9.03 24.17,8.38 C29.2 25.03,8.43 25.36,8.43 25.74,8.81 25.74,8.98 C31.2 25.74,9.32 25.74,9.64 25.57,9.81 v1(25.57,9.85)
+3V3_IN: length 76.7
  Top Layer w0.127: v1(11.73,49.17) 11.74,49.16 11.74,48.61 12.03,48.33 ; 12.03,48.33 12.22,48.52 ; 12.03,48.33 12.25,48.1 12.82,48.1 v1(12.83,48.1) ; 12.28,48.62 v1(12.28,49.17) ; 12.28,48.62 v1(12.82,49.17) ; 12.28,48.62 12.28,48.58 ; 12.28,48.62 12.24,48.59 12.24,48.5 ; 19.62,48.33 19.34,48.61 19.34,49.16 v1(19.33,49.18) ; 19.62,48.33 19.85,48.1 20.42,48.1 v1(20.43,48.1) ; 19.62,48.33 19.82,48.52 ; 19.88,48.63 v1(20.42,49.18) ; 19.88,48.63 19.84,48.59 19.84,48.5 ; 19.88,48.63 v1(19.88,49.18) ; 19.88,48.63 19.88,48.58 ; 19.88,48.47 19.95,48.55 20.27,48.55 20.35,48.63 v1(20.43,48.63) ; 27.27,48.33 26.99,48.61 26.99,49.16 v1(26.97,49.17) ; 27.27,48.33 27.5,48.1 28.07,48.1 v1(28.07,48.1) ; 27.27,48.33 27.47,48.52 ; v1(28.08,48.63) 28,48.63 27.92,48.55 27.6,48.55 27.53,48.47 ; 27.53,48.63 v1(27.53,49.17) ; 27.53,48.63 27.53,48.58 ; 27.53,48.63 v1(28.07,49.17) ; 27.53,48.63 27.49,48.59 27.49,48.5 ; 33.87,7.43 34.94,8.5 ; C77.2 34.97,8.47 v1(35.42,8.92) 35.5,8.92 35.73,8.69 35.86,8.69 35.89,8.66 ; 9.36,13.65 9.41,13.6 9.41,13.22 9.58,13.06 ; v1(35.91,8.64) 35.91,8.69 35.92,8.7 35.92,9.17 v1(35.92,9.18) ; v1(12.83,48.63) 12.75,48.63 12.67,48.55 12.35,48.55 12.28,48.47 ; U8.3 11.4,47.08 ; v1(34.2,8.55) 34.12,8.55 34.05,8.48 33.57,8.48 U6.6 33.39,8.52 33.82,8.95 v1(33.82,9.02)
  Top Layer w0.254: C79.2 19.47,47.55 19,47.08 ; v1(39.18,13.25) TP14.1 v1(36.52,13.25) ; 11.4,47.08 11.88,47.55 C71.2 ; U7.C2 8.9,12.9 9.41,12.9 9.58,13.06 ; 26.65,47.08 27.12,47.55 C80.2
  Int3 (Sign) w0.254: 16.45,43.12 16.45,40.75 16,40.3 13.2,40.3 5.9,33 5.9,14.83 7.09,13.63 9.34,13.63 v1(9.36,13.66)
  Bottom Layer w0.127: v1(36.52,13.25) TP14.1 v1(39.18,13.25) ; JM1.15 37.86,16.26 39.02,16.26 v1(39.03,16.27) ; JM1.13 38.9,15.75 38.95,15.69 v1(39.03,15.69) ; v1(36.77,13.75) v1(38.93,13.75) ; v1(36.77,12.75) v1(38.93,12.75)
  Bottom Layer w0.254: R44.2 9.04,48.66 9.04,49.26 v1(9.05,49.28) ; R45.2 v1(24.28,49.28) ; R48.2 v1(16.62,49.28)
